# KiCad board zone-controller.kicad_pcb (continued)
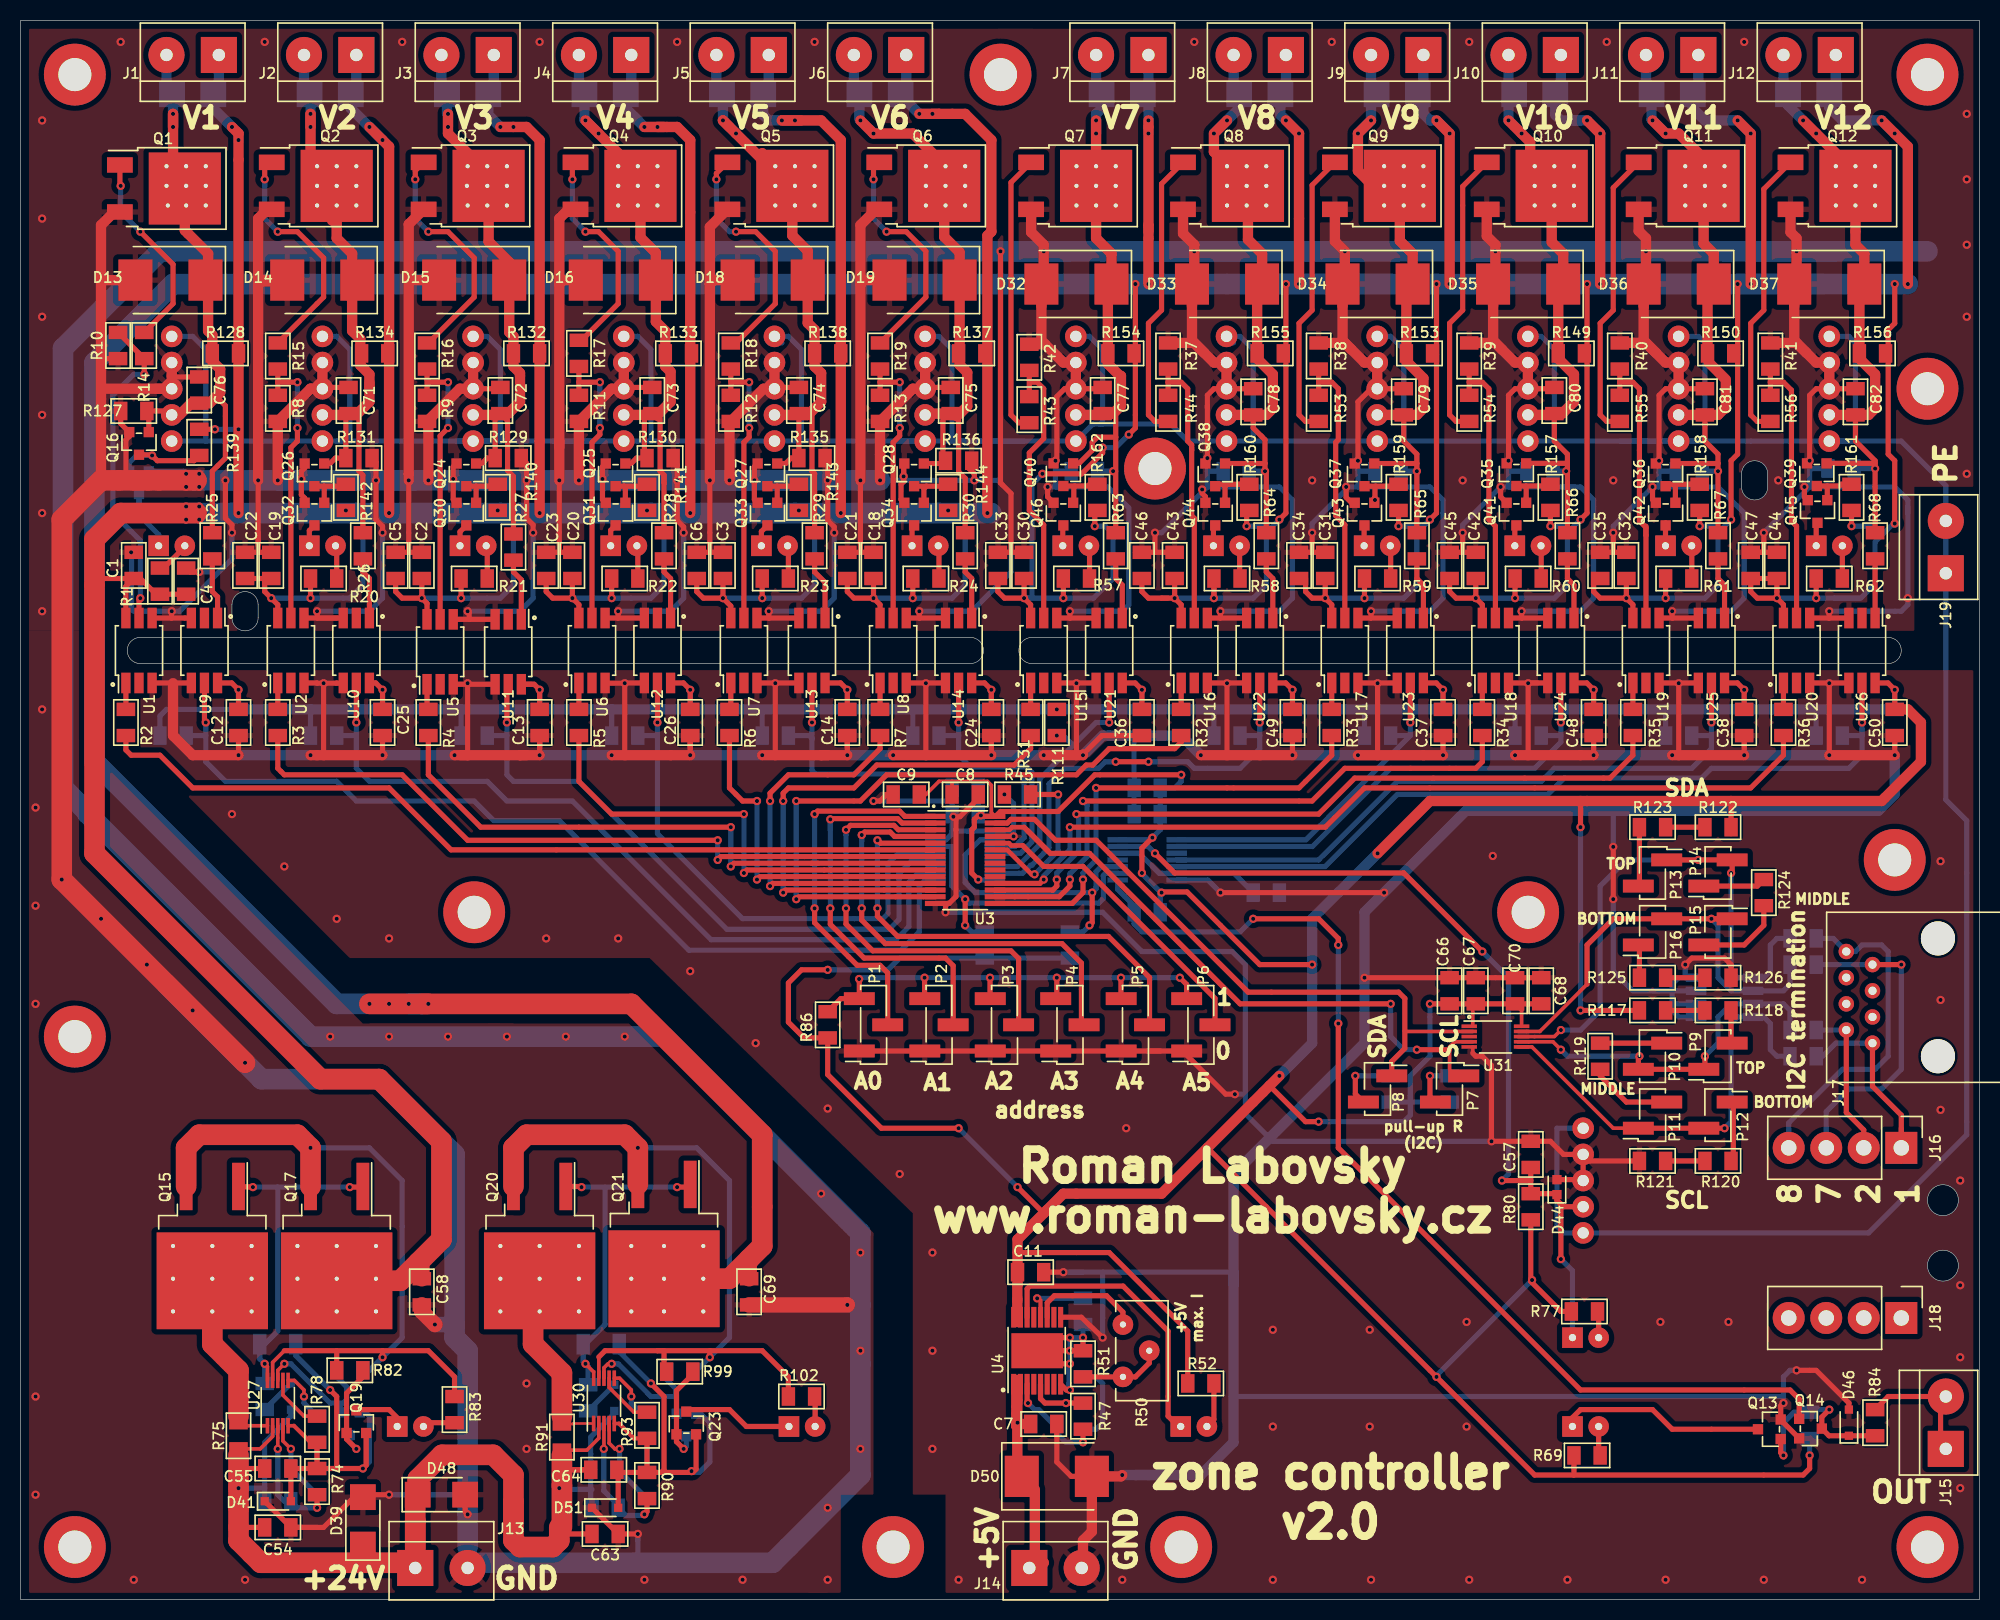
[diagram p0: board, top side]
## Routing (per net, layer and track width the routed paths; a pad name or vN(x,y) marks a point on that pad's centre or on a via; arc(x,y) is an arc through that point) (continued)
Net-(P11-Pad2): length 7.5
  Top w0.5: 153.21,50.8 155.75,48.26 P11.2
Net-(P12-Pad1): length 6.5
  Top w0.5: P12.1 166.13,48.15 166.13,42.76 R120.1 165.91,43.18
Net-(P13-Pad2): length 5.1
  Top w0.5: P13.2 157.02,69.32 157.02,74.29
Net-(P14-Pad1): length 6.1
  Top w0.5: P14.1 168.45,69.22 R124.1
Net-(P15-Pad2): length 8.5
  Top w0.5: R124.2 169.09,65.41 167.19,63.5 163.27,63.5
Net-(P16-Pad1): length 3.2
  Top w0.5: 156.92,63.5 157.02,63.39 R125.1
Net-(Q1-G): length 19.7
  Top w0.5: R14.1 14.78,125.73 14.78,129.54 v1(11.61,132.71) ; 9.51,139.06 Q1.1 9.63,137.24 v1(9.7,137.16)
  Bottom w0.5: v1(9.7,137.16) 9.7,134.62 v1(11.61,132.71)
Net-(Q2-G): length 23.6
  Top w0.5: v1(24.95,132.71) 26.85,132.71 29.39,130.18 29.39,126.36 R15.1 ; 23.92,139.44 23.67,139.19 v1(23.67,137.79)
  Bottom w0.5: v1(24.95,132.71) 23.67,133.99 v1(23.67,137.79) 23.67,137.16
Net-(Q3-G): length 23.3
  Top w0.5: v1(39.55,132.71) 41.45,132.71 43.99,130.18 43.99,126.36 39.55,121.92 R16.1 ; Q3.1 38.28,138.63 v1(38.28,137.79)
  Bottom w0.5: v1(38.28,137.79) 38.28,133.99 v1(39.55,132.71)
Net-(Q4-G): length 21.7
  Top w0.5: v1(53.52,137.79) 53.52,139.14 Q4.1 ; R17.1 54.41,122.17 57.96,125.73 57.96,130.81 56.06,132.71 v1(54.79,132.71)
  Bottom w0.5: v1(53.52,137.79) 53.52,133.99 v1(54.79,132.71)
Net-(Q5-G): length 23.9
  Top w0.5: Q5.1 67.49,138.37 v1(67.49,137.79) ; v1(69.39,132.71) 71.3,132.71 73.2,130.81 73.2,125.73 69.39,121.92 R18.1
  Bottom w0.5: v1(67.49,137.79) 67.49,133.99 68.76,132.71 v1(69.39,132.71)
Net-(Q6-G): length 22.8
  Top w0.5: R19.1 87.81,126.36 87.81,130.81 85.9,132.71 v1(84,132.71) ; v1(82.73,137.79) 82.73,138.88 Q6.1
  Bottom w0.5: v1(82.73,137.79) 82.73,133.99 v1(84,132.71)
Net-(Q7-G): length 27.4
  Top w0.5: Q7.1 96.06,137.49 96.06,114.93 96.83,114.17 R43.1
Net-(Q8-G): length 28.1
  Top w0.5: R44.1 110.03,114.3 109.4,114.93 109.4,123.82 110.67,125.09 110.67,137.36 Q8.1
Net-(Q9-G): length 28.1
  Top w0.5: R53.1 124.64,114.3 124,114.93 124,123.82 125.27,125.09 125.27,137.23 Q9.1
Net-(Q10-G): length 28.2
  Top w0.5: R54.1 139.25,114.3 138.61,114.93 138.61,123.82 139.88,125.09 139.88,137.1 Q10.1
Net-(Q11-G): length 28.2
  Top w0.5: Q11.1 154.48,136.98 154.48,125.09 153.21,123.82 153.21,114.93 153.85,114.3 R55.1
Net-(Q12-G): length 28.3
  Top w0.5: R56.1 168.45,114.3 167.82,114.93 167.82,123.82 169.09,125.09 169.09,136.85 Q12.1
Net-(Q15-D): length 17.1
  Top w0.25: 21.43,16.85 R75.1
  Top w0.35: U27.1 21.43,16.85
  Top w2: 21.14,17.78 21.14,22.22 18.59,24.76 Q15.3
Net-(Q15-S): length 77.7
  Top w0.35: 25.58,24.13 24.45,23 U27.9
  Top w0.5: 35.11,24.13 39.55,24.13 42.09,21.59 R83.1 ; 35.11,24.13 30.66,24.13 ; 35.11,24.13 v1(35.11,23.5) ; R82.1 30.66,24.13 ; 30.66,24.13 25.58,24.13
  Top w2: Q15.2 16.05,43.81 17.33,45.08 26.85,45.08 v1(28.12,43.81) Q17.2
  Bottom w0.5: 33.2,22.86 R81.1 ; R81.1 33.83,22.22 v1(35.11,23.5) 37.01,25.4 37.01,40.64 33.83,43.81 v1(28.12,43.81) ; R81.1 33.56,22.59
Net-(Q16-D): length 9.6
  Top w0.5: 11.48,111.07 12.68,111.07 v1(12.75,111) 13.26,110.49 16.82,110.49 R139.2
  Bottom w0.5: Q29.1 10.53,110.3 11.23,111 v1(12.75,111)
Net-(Q18-D): length 10.3
  Top w0.5: v1(32.56,14.6) 31.61,15.55 Q19.1 31.61,20 33.2,21.59 R82.2
  Bottom w0.5: Q18.3 31.93,15.24 v1(32.56,14.6)
Net-(Q18-G): length 13.9
  Top w0.35: U27.8 24.95,22.22 v1(25.58,22.86)
  Bottom w0.5: 30.66,19.05 30.02,19.05 26.21,22.86 v1(25.58,22.86) ; 30.66,19.05 31.3,19.05 31.61,19.37 31.61,20.63 30.66,21.59 R81.2 ; 30.66,19.05 30.98,18.73 Q18.1
Net-(Q20-D): length 18
  Top w0.25: U30.1 53.6,17.06 53.56,17.02 R91.1
  Top w0.5: 47.17,26.66 47.42,26.92
  Top w2: Q20.3 49.71,30.28 49.71,24.76 52.5,21.97 52.5,17.78
Net-(Q20-S): length 78.3
  Top w0.35: U30.9 56.08,23.52
  Top w0.5: R102.1 74.47,21.59 71.93,24.13 66.86,24.13 ; 61.77,24.13 56.7,24.13 56.08,23.52 ; 61.77,24.13 66.86,24.13 ; 61.77,24.13 62.41,24.13 62.41,22.1 ; 66.86,24.13 v1(66.86,23.5)
  Top w2: Q20.2 47.8,43.81 49.08,45.08 58.6,45.08 v1(59.87,43.81) Q21.2
  Bottom w0.5: v1(59.87,43.81) 65.58,43.81 68.76,40.64 68.76,25.4 v1(66.86,23.5) 65.46,22.1 64.95,22.1 ; 64.95,22.1 64.95,22.22 ; 64.95,22.1 65.08,22.22
Net-(Q22-D): length 9.7
  Top w0.5: 64.95,22.1 64.95,21.59 63.62,20.26 Q23.1 63.62,15.3 v1(64.31,14.6)
  Bottom w0.5: v1(64.31,14.6) 64.57,14.86 64.57,15.82
Net-(Q22-G): length 16.6
  Top w0.25: 56.97,22.86 v1(57.33,22.86)
  Top w0.35: U30.8 56.58,22.47 56.97,22.86
  Bottom w0.5: 62.41,22.1 62.41,21.59 63.56,20.44 ; 63.56,20.44 63.56,19.69 ; 63.56,20.44 63.62,20.38 Q22.1 63.62,19.75 63.56,19.69 ; 63.56,19.69 61.14,19.69 57.96,22.86 v1(57.33,22.86)
Net-(Q24-D): length 4.7
  Top w0.5: 44.18,108.02 46.1,108.02 R140.2 ; 44.18,108.02 Q24.3 ; 44.18,108.02 44.18,108.02 Q30.1
Net-(Q25-D): length 4.8
  Top w0.5: 58.54,108.02 60.58,108.02 R141.2 ; 58.54,108.02 Q25.3 ; 58.54,108.02 58.66,107.9 Q31.1
Net-(Q26-D): length 5.3
  Top w0.5: 28.5,107.95 Q26.3 29.45,108.02 ; Q32.1 29.5,106.41 ; Q32.1 29.45,108.02 29.45,108.02 ; Q32.1 29.45,106.24 ; 29.45,108.02 31.36,108.02 R142.2 31.3,108.2
Net-(Q27-D): length 4.7
  Top w0.5: R143.2 75.31,108.02 73.39,108.02 ; Q27.3 73.39,108.02 ; 73.39,108.02 73.39,108.02 Q33.1
Net-(Q28-D): length 5.1
  Top w0.5: 87.87,108.02 87.62,107.77 Q34.1 ; 87.87,108.02 Q28.3 ; 87.87,108.02 89.78,108.02 R144.2
Net-(Q35-D): length 5.5
  Top w0.5: 146.02,108.04 146.04,108.02 Q41.1 146.04,106.87 ; 146.02,108.04 148.22,108.04 R157.2 ; 146.02,108.04 Q35.3
Net-(Q36-D): length 6.5
  Top w0.5: 160.51,106.66 160.51,106.87 ; 161.85,108.2 R158.2 160.33,108.2 ; Q42.1 160.51,108.02 160.33,108.2 ; 160.33,108.2 159.75,108.2 Q36.3
Net-(Q37-D): length 5.3
  Top w0.5: Q37.3 131.44,108.02 ; 131.44,108.02 133.47,108.02 R159.2 ; 131.44,108.02 131.37,107.95 v1(131.37,106.68) ; Q43.1 131.31,106.87
  Bottom w0.5: 131.3,106.61 v1(131.37,106.68)
Net-(Q38-D): length 7
  Top w0.5: 116.64,108.2 R160.2 ; 116.64,108.2 116.06,108.2 Q38.3 ; 116.64,108.2 116.83,108.02 Q44.1 116.83,106.87 ; 119.01,108.04 R160.2 ; R160.2 118.16,108.2
Net-(Q39-D): length 5
  Top w0.5: 175.25,106.87 Q45.1 175.25,108.02 175.23,108.04 ; 175.23,108.04 176.41,108.04 176.58,108.2 R161.2 ; 175.23,108.04 Q39.3
Net-(Q40-D): length 5.8
  Top w0.5: 103.68,108.2 R162.2 104.28,108.04 102.25,108.04 ; 102.16,106.68 102.16,107.95 102.25,108.04 ; Q40.3 102.25,108.04 ; 104.77,108.02 104.95,108.2
Net-(R48-Pad2): length 8.1
  Bottom w0.5: R48.2 104.32,16.51 104.95,17.14 104.95,20.95 104.32,21.59 R49.1
Net-(R50-Pad1): length 8.9
  Top w0.4: R51.2 103.05,21.53
  Top w0.5: 102.42,21.59 R50.1 108.13,21.59 109.48,22.94 R50.2
Net-(R117-Pad2): length 3.8
  Top w0.5: R117.2 R118.1
Net-(R120-Pad2): length 3.8
  Top w0.5: R120.2 R121.1
Net-(R122-Pad2): length 3.8
  Top w0.5: R122.2 R123.1
Net-(R125-Pad2): length 3.8
  Top w0.5: R125.2 R126.1
Net-(U1-A): length 2.6
  Top w0.5: U1.1 R2.1
Net-(U2-A): length 2.6
  Top w0.5: U2.1 R3.1
Net-(U3-~{OE}): length 16.4
  Top w0.35: 97.97,78.1 98.48,78.1
  Top w0.45: v1(98.35,70.36) 98.07,70.36 95.7,72.73 U3.23
  Top w0.5: 97.97,78.1 100.38,78.1
  Bottom w0.5: v1(98.35,70.36) 100.64,72.64 v1(100.64,78.1)
Net-(U4-dVdT): length 6.1
  Top w0.4: U4.12 98.93,29.01
  Bottom w0.5: v1(98.61,29.21) 103.05,29.21
Net-(U4-ILIM): length 10.9
  Top w0.5: U4.11 99.58,28.78 100.26,29.46 105.34,29.46 106.92,27.88 R50.3
Net-(U4-OVP): length 7.3
  Top w0.5: U4.5 98.93,19.48 99.36,19.05 103.05,19.05
  Bottom w0.5: 103.05,19.05 v1(101.4,19.05)
Net-(U4-PowerPad): length 26
  Top w0.4: 101.19,20.57 U4.8
  Top w0.5: U4.8 101.44,20.32 v1(101.78,20.32) ; v1(101.78,22.86) 99.87,22.86 U4.17 ; U4.17 99.87,25.4 v1(101.78,25.4) ; U4.17 v1(101.78,24.13) R51.1 v1(103.05,25.4)
  Bottom w0.5: v1(101.78,22.86) 101.62,22.86 ; v1(101.78,22.86) 101.7,22.78 101.7,21.04 ; v1(101.78,22.86) v1(101.78,24.13) ; v1(103.05,25.4) v1(101.78,25.4) v1(101.78,24.13) ; v1(103.05,25.4) C10.2 ; v1(103.05,25.4) R51.1 ; 101.7,21.04 101.7,20.4 v1(101.78,20.32) ; 101.7,21.04 101.7,20.75 ; v1(101.78,24.13) R51.1 ; R51.1 102.42,24.13
Net-(U4-UVLO): length 10.6
  Top w0.4: 97.63,19.14 v1(97.72,19.05)
  Top w0.5: 97.63,20.88 97.63,19.14 ; v1(103.05,15.24) R47.1
  Bottom w0.5: v1(103.05,15.24) 101.39,15.24 100.51,16.12 R46.2 100.16,17.02 98.76,18.41 98.35,18.41 v1(97.72,19.05)
Net-(U5-A): length 2.5
  Top w0.5: U5.1 39.42,86.49 R4.1
Net-(U6-A): length 2.6
  Top w0.5: R5.1 54.15,88.57 54.09,88.64 54.09,88.92
Net-(U7-A): length 2.6
  Top w0.5: U7.1 68.89,86.49 R6.1
Net-(U8-A): length 2.6
  Top w0.5: R7.1 U8.1
Net-(U9-A): length 6
  Top w0.5: R25.1 18.59,97.79 19.1,97.28 U9.1
Net-(U10-A): length 6
  Top w0.5: U10.1 33.83,99.06 33.2,99.69 R26.1
Net-(U11-A): length 6.1
  Top w0.5: R27.1 47.8,99.69 48.57,98.93 U11.1
Net-(U12-A): length 6
  Top w0.5: R28.1 62.41,99.69 63.05,99.06 U12.1
Net-(U13-A): length 6.2
  Top w0.5: R29.1 77.02,99.69 78.03,98.68 U13.1
Net-(U14-A): length 6
  Top w0.5: R30.1 91.62,99.69 92.25,99.06 U14.1
Net-(U15-A): length 2.6
  Top w0.5: R31.1 U15.1
Net-(U16-A): length 2.6
  Top w0.5: U16.1 R32.1
Net-(U17-A): length 2.6
  Top w0.5: R33.1 U17.1
Net-(U18-A): length 2.6
  Top w0.5: R34.1 U18.1
Net-(U19-A): length 2.6
  Top w0.5: U19.1 R35.1
Net-(U20-A): length 2.6
  Top w0.5: U20.1 R36.1
Net-(U21-A): length 6
  Top w0.5: R63.1 106.22,99.06 106.86,98.42 U21.1
Net-(U22-A): length 6
  Top w0.5: R64.1 120.83,99.69 121.46,99.06 U22.1
Net-(U23-A): length 6
  Top w0.5: R65.1 135.44,99.06 136.07,98.42 U23.1
Net-(U24-A): length 6
  Top w0.5: R66.1 150.04,99.06 150.67,98.42 U24.1
Net-(U25-A): length 6
  Top w0.5: R67.1 164.64,99.06 165.28,98.42 U25.1
Net-(U26-A): length 5.7
  Top w0.5: U26.1 R68.1
Net-(U27-OVLO): length 8.1
  Top w0.35: U27.4 25.45,15.38 v1(26.21,14.6)
  Bottom w0.5: 28.75,10.16 R70.2 v1(26.21,14.6)
Net-(U27-PWR): length 5.6
  Top w0.35: R78.1 27.48,17.78 25.45,19.82 U27.7
Net-(U27-TIMER): length 5.6
  Top w0.25: U27.6 26.55,21.25
  Top w0.35: v1(27.48,19.69) 27.48,20.32 26.55,21.25 ; U27.6 26.51,21.25
  Bottom w0.5: C56.1 27.48,19.05 v1(27.48,19.69)
Net-(U27-UVLO/EN): length 12.3
  Top w0.25: 24.85,14.55 24.87,14.53
  Top w0.35: v1(24.95,14.6) U27.3
  Top w0.5: 28.75,10.16 v1(28.75,8.89)
  Bottom w0.5: v1(24.95,14.6) 24.95,10.16 25.58,9.53 R73.2 26.85,8.89 v1(28.75,8.89)
Net-(U30-OVLO): length 11.4
  Top w0.35: U30.4 57.08,15.16 57.64,14.6 v1(58.09,14.6)
  Bottom w0.25: 58.22,12.57 58.09,12.7 v1(58.09,14.6)
  Bottom w0.5: R88.1 57.96,12.57 R87.2 58.09,12.83 v1(58.09,14.6)
Net-(U30-PWR): length 5.6
  Top w0.35: R93.1 59.49,18.16 57.08,20.57 U30.7
Net-(U30-TIMER): length 5.3
  Top w0.35: v1(59.23,19.69) 59.23,20.32 58.09,21.46 U30.6
  Bottom w0.5: C65.1 60.12,18.16 59.23,19.05 v1(59.23,19.69)
Net-(U30-UVLO/EN): length 15.3
  Top w0.25: 56.58,14.62 v1(56.57,14.6)
  Top w0.35: U30.3 56.58,14.62
  Top w0.5: 60.4,8.14 60.76,8.51 R90.1
  Bottom w0.25: 56.65,10.45 57.71,9.4 58.22,9.4
  Bottom w0.5: v1(56.57,14.6) 56.57,10.54 57.96,9.14 R89.2 58.71,8.14 60.4,8.14
  vias: v1(60.5,8.25)

## Copper pours and planes (outline as drawn; the poured copper is in the pictures)
+24V_A on Bottom: 38.92,41.91 38.92,26.03 25.58,26.03 25.58,46.99 33.83,46.99
+24V_B on Bottom: 78.92,34.92 78.92,26.03 57.33,26.03 57.33,52.07 61.77,52.07
GND on Top: 89.71,0.63 189.41,0.63 189.41,90.17 11.61,90.17 11.61,82.55 31.93,62.23 61.01,62.23 86.54,37.47 86.54,10.16 89.71,10.16
GND on Bottom: 189.41,0.63 90.35,0.63 90.35,33.78 61.14,62.23 31.93,62.23 11.61,82.55 11.61,90.17 189.41,90.17
GND on Bottom: 92.25,0.63 89.71,0.63 89.71,10.16 86.54,10.16 86.54,37.47 92.25,37.47
GND_A on Top: 33.2,55.88 46.53,55.88 46.53,48.89 5.26,48.89 5.26,83.82
GND_A on Top: 5.89,74.93 14.15,64.77 27.48,52.07 43.36,52.07 43.36,11.43 0.81,11.43 0.81,93.98 5.89,93.98
GND_A on Top: 98.22,93.98 0.81,93.98 0.81,152.4 98.22,152.4
GND_A on Top: 43.36,6.98 35.11,6.98 35.11,0.63 0.81,0.63 0.81,12.06 43.36,12.06
GND_A on Top: 189.41,107.95 183.69,107.95 183.69,93.98 94.8,93.98 94.8,152.4 189.41,152.4
GND_A on Top: 82.73,10.16 79.55,10.16 79.55,0.63 76.38,0.63 76.38,11.43 79.55,11.43 79.55,35.56 82.73,35.56
GND_A on Top: 45.9,36.19 42.09,36.19 42.09,49.53 45.9,49.53
GND_A on Top: 82.73,35.56 78.28,0.63 33.83,0.63 33.83,55.88 62.41,55.88
GND_A on Top: 47.8,36.19 45.27,36.19 45.27,55.88 47.8,55.88
GND_A on Bottom: 189.41,107.95 183.69,107.95 183.69,93.98 97.33,93.98 97.33,125.09 189.41,125.09
GND_A on Bottom: 9.07,80.64 30.66,59.05 43.36,59.05 43.36,48.89 0.81,48.89 0.81,94.61 9.07,94.61
GND_A on Bottom: 2.72,75.56 25.58,52.07 43.36,52.07 43.36,48.89 0.81,48.89 0.81,94.61 2.72,94.61
GND_A on Bottom: 43.36,24.13 40.82,24.13 40.82,43.81 35.74,48.89 26.21,48.89 26.21,51.44 43.36,51.44
GND_A on Bottom: 64.31,53.97 45.27,53.97 45.27,59.05 59.23,59.05
GND_A on Bottom: 43.99,6.98 35.11,6.98 35.11,0.63 0.81,0.63 0.81,24.76 43.99,24.76
GND_A on Bottom: 7.8,128.27 2.72,124.46 2.72,93.98 0.81,93.98 0.81,144.14 7.8,144.14
GND_A on Bottom: 96.7,144.14 90.98,144.14 90.98,152.4 96.7,152.4
GND_A on Bottom: 92.25,144.14 0.81,144.14 0.81,152.4 92.25,152.4
GND_A on Bottom: 47.17,53.97 42.72,53.97 42.72,59.05 47.17,59.05
GND_A on Bottom: 82.09,10.16 79.55,10.16 79.55,0.63 77.65,0.63 77.65,14.6 82.09,14.6
GND_A on Bottom: 189.41,107.95 183.69,107.95 183.69,93.98 0.81,93.98 0.81,132.08 189.41,132.08
GND_A on Bottom: 77.97,0.63 46.53,0.63 46.53,24.76 82.41,24.76
GND_A on Bottom: 189.41,124.46 184.33,124.46 184.33,144.78 189.41,144.78
GND_A on Bottom: 49.71,0.63 31.93,0.63 31.93,24.76 49.71,24.76
GND_A on Bottom: 92.25,93.98 10.97,93.98 10.97,118.74 16.69,124.46 92.25,124.46
GND_A on Bottom: 189.41,144.14 94.8,144.14 94.8,152.4 189.41,152.4
LED0_OUT_24V on Bottom: 21.14,132.71 9.07,132.71 9.07,142.88 21.14,142.88
LED1_OUT_24V on Bottom: 35.74,132.71 23.04,132.71 23.04,142.88 35.74,142.88
LED2_OUT_24V on Bottom: 50.34,132.71 37.64,132.71 37.64,142.88 50.34,142.88
LED3_OUT_24V on Bottom: 64.95,132.71 52.89,132.71 52.89,142.88 64.95,142.88
LED4_OUT_24V on Bottom: 79.55,132.71 66.86,132.71 66.86,142.88 79.55,142.88
LED5_OUT_24V on Bottom: 94.16,132.71 82.09,132.71 82.09,142.88 94.16,142.88
LED6_OUT_24V on Bottom: 109.4,132.71 96.7,132.71 96.7,142.88 109.4,142.88
LED7_OUT_24V on Bottom: 124,132.71 111.3,132.71 111.3,142.88 124,142.88
LED8_OUT_24V on Bottom: 138.61,132.71 125.91,132.71 125.91,142.88 138.61,142.88
LED9_OUT_24V on Bottom: 153.21,132.71 141.15,132.71 141.15,142.88 153.21,142.88
LED10_OUT_24V on Bottom: 167.82,132.71 155.75,132.71 155.75,142.88 167.82,142.88
LED11_OUT_24V on Bottom: 183.06,132.71 170.36,132.71 170.36,142.88 183.06,142.88
Net-(Q15-D) on Bottom: 24.31,26.03 2.72,26.03 2.72,46.99 24.31,46.99
Net-(Q20-D) on Bottom: 56.06,26.03 45.27,26.03 45.27,52.07 56.06,52.07

## Text on the board
B.Silkscreen: V1 | V2 | V3 | V4 | V5 | V6 | V7 | V8 | V9 | V10 | OUT | V11 | V12
F.Silkscreen: pull-up R / (I2C) | BOTTOM | MIDDLE | TOP | +5V / max. I | A0 | A1 | A2 | address | A3 | A4 | A5 | 0 | 1 | SDA | SCL | I2C termination | V1 | V2 | +24V | V3 | GND | V4 | V5 | V6 | V7 | V8 | V9 | V10 | V11 | V12 | OUT | +5V | 8 | 7 | 2 | PE | Roman Labovsky / www.roman-labovsky.cz | zone controller / v2.0
